# Altium PCB PCB.PcbDoc
Units mil, origin at the board's own origin, x right, y up, seen from the top; angles counter-clockwise.
Board outline 6250 x 3150 mil, 2 copper layers (Top Layer, Bottom Layer); 76 components, 74 nets, 280 pads, 32 vias.
Unrouted connection lines stored in the file: 3.
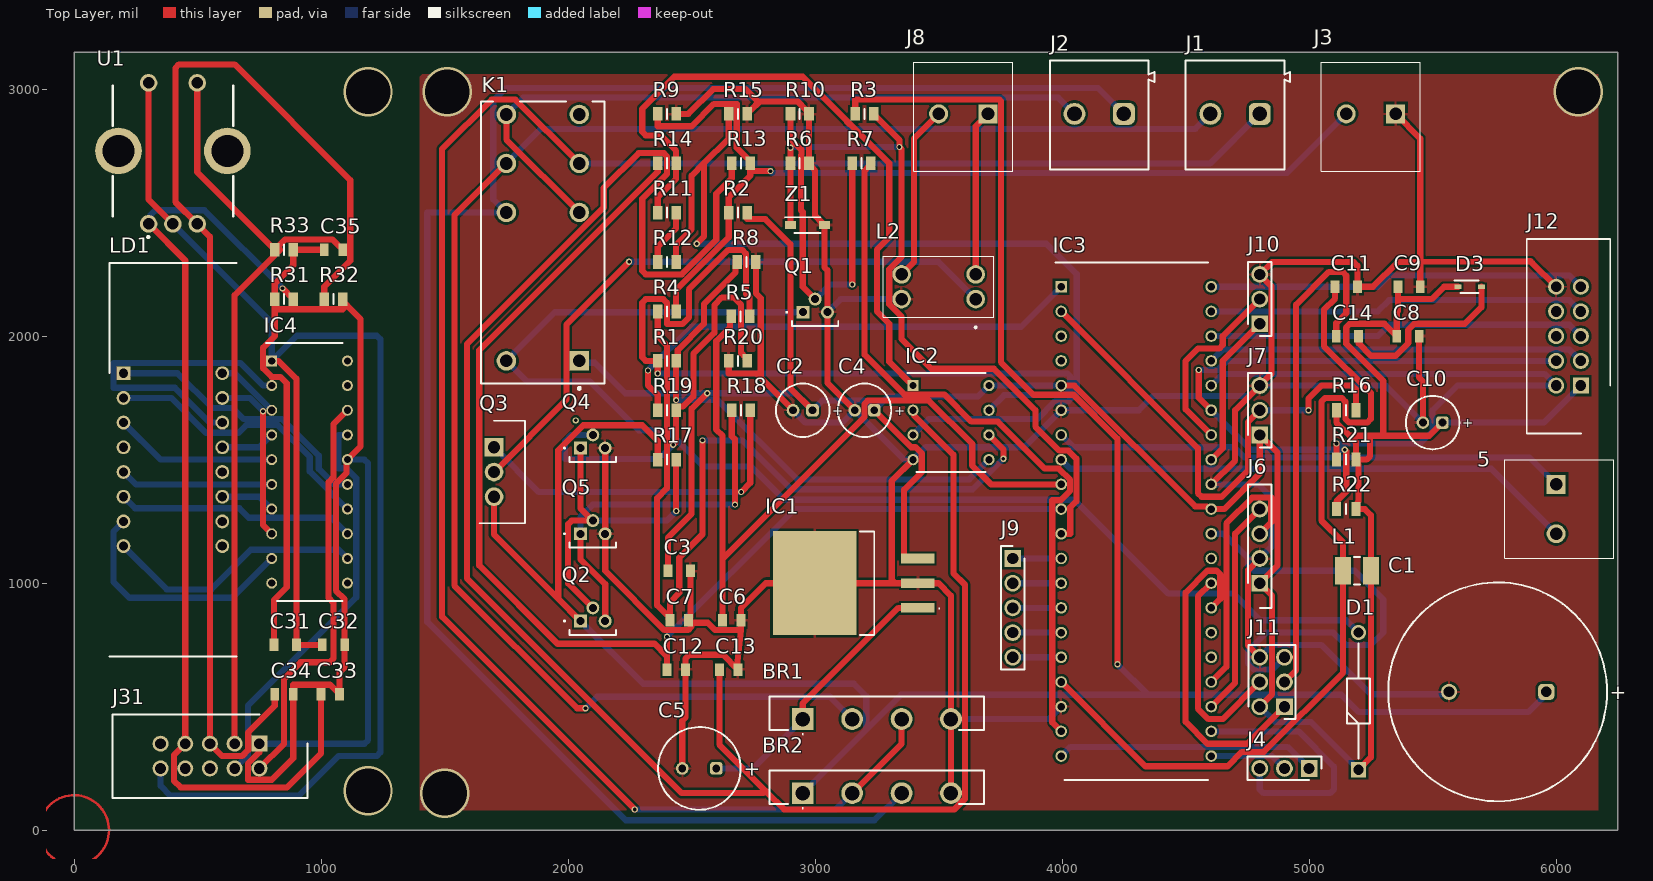
[diagram p0: Top Layer view]
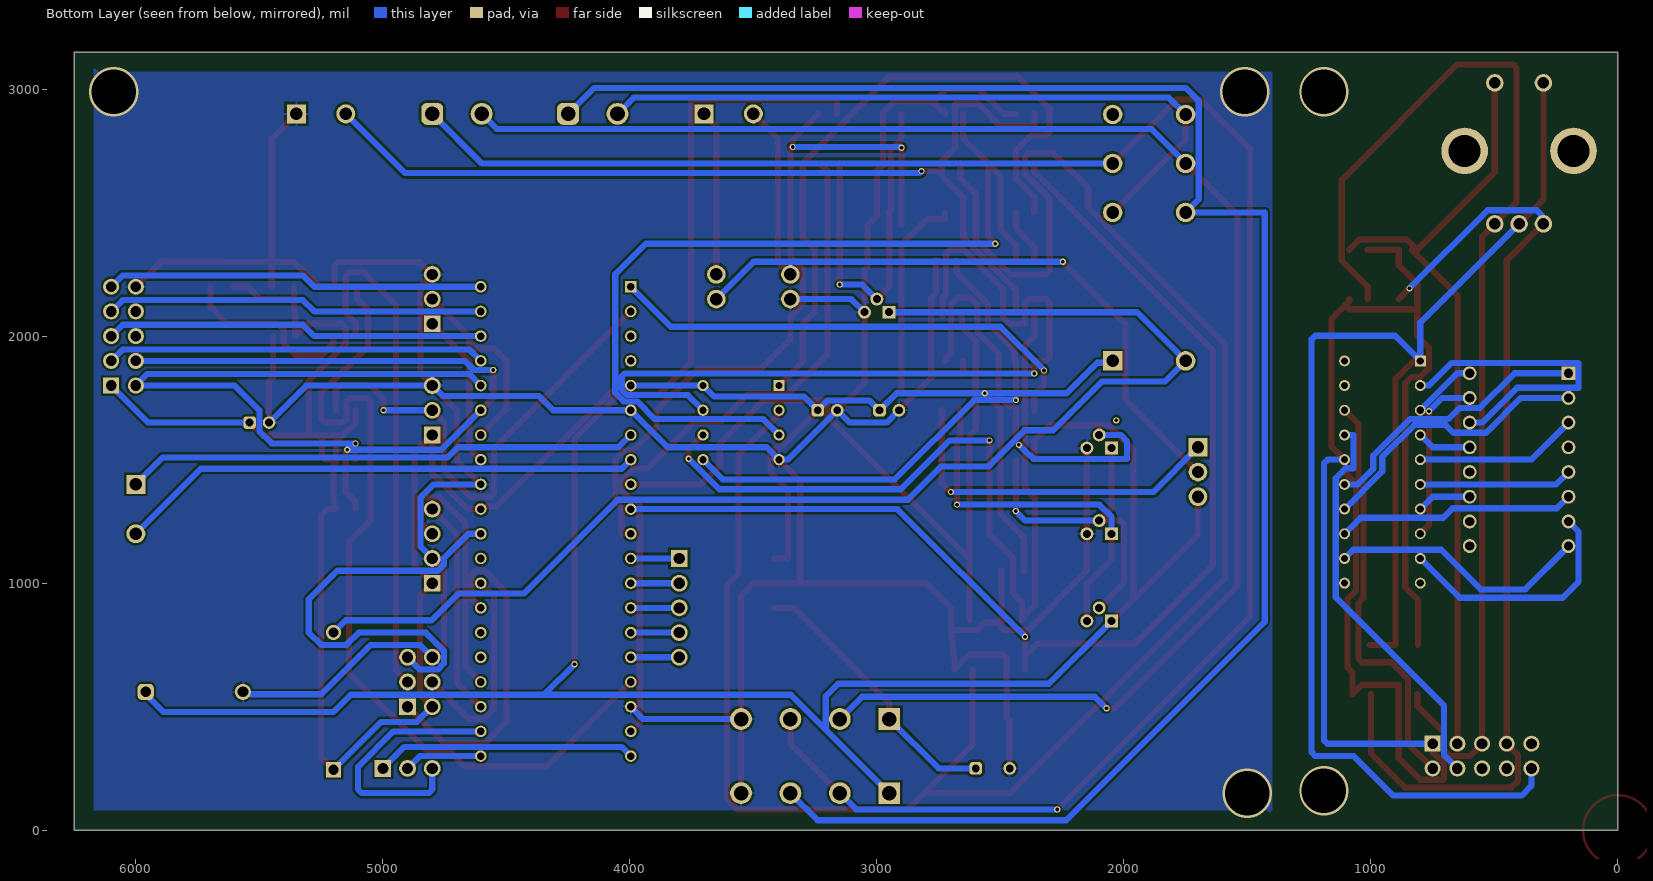
[diagram p1: Bottom Layer view, seen from below]
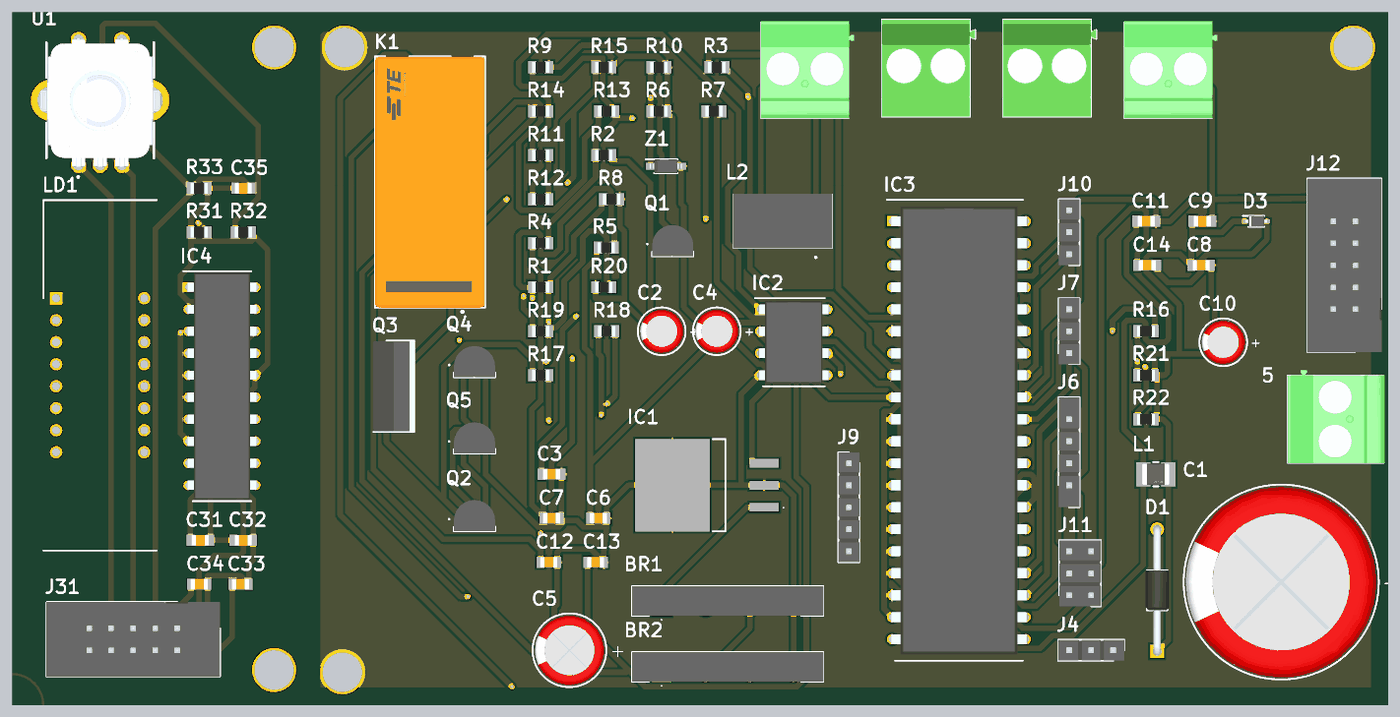
[diagram p2: 3D render of the assembled board from above, using the file's embedded part models]

## Layer stack, top to bottom
Top Solder: solder mask 0.4, Solder Resist, Dk 3.5
Top Layer: signal copper 1.4
Dielectric 1: dielectric 12.6, FR-4, Dk 4.8
Bottom Layer: signal copper 1.4
Bottom Solder: solder mask 0.4, Solder Resist, Dk 3.5

## Board outline
0,0 6250,0 6250,3150 0,3150
board region "Default Layer Stack Region": 1350,0 0,0 0,3150 1350,3150
board region "Default Layer Stack Region": 1350,3150 6250,3150 6250,0 1350,0

## Design rules (kind name [scope] priority, off if disabled: settings)
Clearance Clearance_3 [InNamedPolygon('GND_L02_P002')] p1: gap=10 ignorepadtopadclearanceinfootprint=FALSE except(0: Arc-Hole Track-Hole SMDPad-Hole THPad-Hole Via-Hole Fill-Hole Poly-Hole Region-Hole Text-Hole)
Clearance Clearance_2 [InNamedPolygon('GND_L01_P003')] p2: gap=10 ignorepadtopadclearanceinfootprint=FALSE except(0: Arc-Hole Track-Hole SMDPad-Hole THPad-Hole Via-Hole Fill-Hole Poly-Hole Region-Hole Text-Hole)
Clearance Clearance_1 [InNamedPolygon('GND_L02_P002')] p3: gap=10 ignorepadtopadclearanceinfootprint=FALSE except(0: Arc-Hole Track-Hole SMDPad-Hole THPad-Hole Via-Hole Fill-Hole Poly-Hole Region-Hole Text-Hole)
Clearance [All] p4: gap=0.25 ignorepadtopadclearanceinfootprint=FALSE except(0: Arc-Hole Track-Hole SMDPad-Hole THPad-Hole Via-Hole Fill-Hole Poly-Hole Region-Hole Text-Hole)
PolygonConnect [All] p1: connectstyle=Relief reliefconductorwidth=10 reliefentries=4 polygonreliefangle="90 Angle" airgapwidth=10
RoutingVias [All] p1: holewidth=15 width=25 viastyle="Through Hole" minholewidth=15 minwidth=25 maxholewidth=15 maxwidth=25
SolderMaskExpansion [All] p1: expansion=4 istentingtop=FALSE
Width [All] p1: maxlimit=50 minlimit=25 preferedwidth=25 minimp=50.000000 maximp=50.000000 favimp=50.000000
30 further rules are at their usual default settings.

## Classes and differential pairs
component class Voeding: BR1 BR2 C1 C4 C5 D1 IC1 J1 J2 K1 Q1 R3 R6 R7 R10 Z1
component class Processor: 5 C8 C9 C10 C11 C14 D3 IC3 J4 J6 J7 J9 J10 J11 J12 L1 R16 R21 R22
component class Opamp: C2 C3 C6 C7 C12 C13 IC2 J3 R1 R2 R4 R5 R8 R9 R11 R12 R13 R14 R15
component class Display: C31 C32 C33 C34 C35 IC4 J31 LD1 R31 R32 R33 U1
component class BoutVoeding: J8 L2 Q2 Q3 Q4 Q5 R17 R18 R19 R20

## Components (designator, comment, footprint, x,y, rotation, side; value= is the part's Value field where it differs from the comment)
5 "1711725" 1711725 6000,1400 r270 top
BR1 "GBU6J-E3_45" "Bridge rectifier" 2950,450 r180 top
BR2 "GBU6J-E3_45" "Bridge rectifier" 2950,150 r180 top
C1 "ESK478M050AQ3AA" "4700µF 50V" 5763.15,560 r0 top
C2 "EEU-FR1H100" "10µF 50V" 2950,1700 r0 top
C3 "C0805C104K5RAC7411" 100nF 2450,1050 r0 top
C4 "EEU-FR1H100" "10µF 50V" 3200,1700 r0 top
C5 "EEU-FR1H100" 100µF 2531.1,250 r0 top
C6 "C0805C103K5TACAUTO" 10nF 2662.6,850 r0 top
C7 "C0805C103K5TACAUTO" 10nF 2450,850 r0 top
C8 "C0805C104K5RAC7411" 100nF 5400,2000 r0 top
C9 "C0805C104K5RAC7411" 100nF 5404.72,2200 r0 top
C10 "EEU-FR1H100" "10µF 50V" 5500,1650 r0 top
C11 "C0805C104K5RAC7411" 100nF 5150,2200 r0 top
C12 "C0805C103K5TACAUTO" 10nF 2437.4,650 r0 top
C13 "C0805C103K5TACAUTO" 10nF 2650,650 r0 top
C14 "C0805C104K5RAC7411" 100nF 5154.72,2000 r0 top
C31 "C0805C104K5RAC7411" 100nF 854.72,750 r0 top
C32 "C0805C104K5RAC7411" 100nF 1050,750 r180 top
C33 "C0805C103K5TACAUTO" 10nF 1037.4,550 r180 top
C34 "C0805C103K5TACAUTO" 10nF 850,550 r180 top
C35 "C0805C103K5TACAUTO" 10nF 1050,2350 r0 top
D1 "1N4007G-T" D1 5200,244.88 r90 top
D3 "1N4148WS_R1_00001" SODFL2512X95N 5650,2200 r0 top
IC1 "TL780-05CKTTR" IC1 3150,1000 r90 top
IC2 "MCP6002-E_P" DIP781W56P254L950H533Q8N 3550,1650 r0 top
IC3 "ATMEGA4809-PF" DIP1543W58P254L5175H635Q40N 4300,1250 r0 top
IC4 "TM1637" DIP778W53P254L2612H431Q20N 953.23,1450 r0 top
J1 "1711725" Phoenix 4700,2896.06 r180 top
J2 "1711725" Phoenix 4150,2896.06 r180 top
J3 "1711725" 1711725 5350,2900 r180 top
J4 "10129378-903001BLF" HDRV3W67P0X254_1X3_762X241X858P 5000,250 r180 top
J6 "10129378-904001BLF" HDRV4W67P0X254_1X4_1270X241X858P 4800,1000 r90 top
J7 "10129378-903001BLF" HDRV3W67P0X254_1X3_762X241X858P 4800,1600 r90 top
J8 "1711725" 1711725 3700,2900 r180 top
J9 "10129378-905001BLF" HDRV5W67P0X254_1X5_1270X241X858P 3800,1100 r270 top
J10 "10129378-903001BLF" HDRV3W67P0X254_1X3_762X241X858P 4800,2050 r90 top
J11 "10129381-906002BLF" HDRV6W67P254_2X3_762X483X858P 4900,500 r90 top
J12 "N2510-6002RB" 1PinBox 6100,1800 r90 top
J31 "N2510-6002RB" SHDR10W64P254_2X5_2002X859X991P 750,350 r180 top
K1 "RT424615" FP-RT424615-MFG 1897.64,2378.35 r90 top
L1 "CBC3225T100MR" FP-CB3225-IPC_A 5193.86,1050 r0 top
L2 "CM2545X171B-10" CM2545X171B10 3650,2150 r90 top
LD1 "TDCG1050M" Display 200,1850 r0 top
Q1 "BC547CBU" TTTT 2950,2096.85 r0 top
Q2 "BC547CBU" TTTT 2050,846.85 r0 top
Q3 "IRF9Z34NPBF" T2 1700,1550 r270 top
Q4 "BC547CBU" TTTT 2050,1546.85 r0 top
Q5 "BC557BTA" TTTT 2050,1200 r0 top
R1 "CRCW080510K0DHEAP" Resistor 2400,1900 r0 top
R2 "CR0805-JW-105ELF" Resistor 2687.4,2500 r0 top
R3 "CRCW080510K0DHEAP" Resistor 3200,2900 r0 top
R4 "CRCW08055K60FKTA" Resistor 2400,2100 r0 top
R5 "CRCW08055K60FKTA" Resistor 2697.4,2080 r0 top
R6 "CRCW080510K0DHEAP" Resistor 2937.4,2700 r0 top
R7 "CRCW080510K0DHEAP" Resistor 3187.4,2700 r0 top
R8 "CPF0805B18KE" Resistor 2722.6,2300 r0 top
R9 "CR0805-JW-105ELF" Resistor 2400,2900 r0 top
R10 "CRCW08054K70FKEAHP" Resistor 2937.4,2900 r0 top
R11 "CRCW080510K0DHEAP" Resistor 2400,2500 r0 top
R12 "CRCW080510K0DHEAP" Resistor 2400,2300 r0 top
R13 "CRCW08055K60FKTA" Resistor 2700,2700 r0 top
R14 "CRCW08055K60FKTA" Resistor 2400,2700 r0 top
R15 "CPF0805B18KE" Resistor 2687.4,2900 r0 top
R16 "CRCW08054K70FKEAHP" RESC2012X50N 5150,1700 r0 top
R17 "CRCW08054K70FKEAHP" Resistor 2400,1500 r0 top
R18 "CPF0805B18KE" Resistor 2700,1700 r0 top
R19 "CRCW080510K0DHEAP" Resistor 2400,1700 r0 top
R20 "CRCW08054K70FKEAHP" Resistor 2687.4,1900 r180 top
R21 "CRCW08054K70FKEAHP" RESC2012X50N 5150,1500 r0 top
R22 "CRCW08054K70FKEAHP" RESC2012X50N 5150,1300 r0 top
R31 "CRCW080510K0DHEAP" Resistor 850,2150 r0 top
R32 "CRCW080510K0DHEAP" Resistor 1050,2150 r180 top
R33 "CRCW080510K0DHEAP" Resistor 850,2350 r180 top
U1 "PEC11R-4225F-S0024" PEC12R-4XXXF-SXXXX_1 400,2750 r0 top
Z1 "SZMMSZ5231BT1G" Zener 2968.9,2450 r0 top

## Footprints (in the part's own frame and the unit in brackets; to place one, negate y for a bottom-side part, rotate by r counter-clockwise, add the part's x,y. Pads: shape width x height; smd on the part's side, far side on the other; paste and mask are expansions set on the pad)
1PinBox [mm]
  rect 1.65x1.65 hole 1.1: 1(0,0)
  round 1.65 hole 1.1: 2(0,2.54) 3(2.54,0) 4(2.54,2.54) 5(5.08,0) 6(5.08,2.54) 7(7.62,0) 8(7.62,2.54) 9(10.16,0) 10(10.16,2.54)
  silkscreen extent -4.93,-3.02 15.09,5.56, body extent -4.93,-3.03 15.09,5.57, height 9.91
10nF [mm] "Ceramic Capacitors, body 2x1.25mm"
  rect 0.9x1.3 smd: 1(-0.95,0) 2(0.95,0)
  body extent -1,-0.62 1,0.63, height 0.8
"10µF 50V" [mm] "Aluminum Electrolytic Capacitors, 5x11mm"
  rrect50% 1.3x1.3 hole 0.8: 1(1,0)
  round 1.3 hole 0.8: 2(-1,0)
  silkscreen extent -2.75,-2.75 2.75,2.75, body extent -2.49,-2.5 2.5,2.5, height 11.31
100nF [mm] "Ceramic Capacitors, body 2x1.25mm"
  rect 0.9x1.3 smd: 1(-1.15,0) 2(1.15,0)
  body extent -1,-0.63 1,0.63, height 0.8
100µF [mm] "Aluminum Electrolytic Capacitors, 8x11.5mm"
  rrect50% 1.3x1.3 hole 0.8: 1(1.75,0)
  round 1.3 hole 0.8: 2(-1.75,0)
  silkscreen extent -4.25,-4.25 4.25,4.25, body extent -3.99,-4 4,4, height 11.81
"4700µF 50V" [mm] "Aluminum Electrolytic Capacitors, 22x41mm"
  rrect50% 1.65x1.65 hole 1.1: 1(5,0)
  round 1.65 hole 1.1: 2(-5,0)
  silkscreen extent -11.25,-11.25 11.25,11.25, body extent -10.99,-11 11,11, height 41.31
1711725 [mm]
  rect 1.95x1.95 hole 1.3: 1(0,0)
  round 1.95 hole 1.3: 2(5.08,0)
  silkscreen extent -2.54,-5.3 7.62,5.9, body extent -3.12,-5.3 7.61,5.9, height 18.41
"Bridge rectifier" [mm]
  rect 2.235x2.235 hole 1.49: 1(0,0)
  round 2.235 hole 1.49: 2(-5.08,0) 3(-10.16,0) 4(-15.24,0)
  silkscreen extent -18.65,-2.32 3.41,1.6, body extent -18.65,-2.32 3.4,1.11, height 18.9
CM2545X171B10 [mil]
  round 75 hole 50: 1(0,0) 2(100,0) 3(100,300) 4(0,300)
  silkscreen extent -118,-74 174,374, body extent -74,-74 174,374, height 378
D1 [mm]
  rect 1.575x1.575 hole 1.05: 1(0,0)
  round 1.575 hole 1.05: 2(14.1,0)
  silkscreen extent 1.14,-1.18 12.96,1.18, body extent -0.43,-1.36 14.51,1.36, height 2.71
DIP778W53P254L2612H431Q20N [mm]
  rect 1.13x1.13 hole 0.73: 1(-3.892,11.43)
  round 1.13 hole 0.73: 2(-3.892,8.89) 3(-3.892,6.35) 4(-3.892,3.81) 5(-3.892,1.27) 6(-3.892,-1.27) 7(-3.892,-3.81) 8(-3.892,-6.35) 9(-3.892,-8.89) 10(-3.892,-11.43) 11(3.892,-11.43) 12(3.892,-8.89) 13(3.892,-6.35) 14(3.892,-3.81) 15(3.892,-1.27) 16(3.892,1.27) 17(3.892,3.81) 18(3.892,6.35) 19(3.892,8.89) 20(3.892,11.43)
  silkscreen extent -4.46,-13.27 3.37,13.27, body extent -4.03,-13.06 4.03,13.06, height 4.31
DIP781W56P254L950H533Q8N [mm]
  rect 1.158x1.158 hole 0.758: 1(-3.905,3.81)
  round 1.158 hole 0.758: 2(-3.905,1.27) 3(-3.905,-1.27) 4(-3.905,-3.81) 5(3.905,-3.81) 6(3.905,-1.27) 7(3.905,1.27) 8(3.905,3.81)
  silkscreen extent -4.48,-5.08 3.56,5.08, body extent -4.04,-4.75 4.04,4.75, height 5.33
DIP1543W58P254L5175H635Q40N [mm]
  rect 1.184x1.184 hole 0.784: 1(-7.715,24.13)
  round 1.184 hole 0.784: 2(-7.715,21.59) 3(-7.715,19.05) 4(-7.715,16.51) 5(-7.715,13.97) 6(-7.715,11.43) 7(-7.715,8.89) 8(-7.715,6.35) 9(-7.715,3.81) 10(-7.715,1.27) 11(-7.715,-1.27) 12(-7.715,-3.81) 13(-7.715,-6.35) 14(-7.715,-8.89) 15(-7.715,-11.43) 16(-7.715,-13.97) 17(-7.715,-16.51) 18(-7.715,-19.05) 19(-7.715,-21.59) 20(-7.715,-24.13) 21(7.715,-24.13) 22(7.715,-21.59) 23(7.715,-19.05) 24(7.715,-16.51) 25(7.715,-13.97) 26(7.715,-11.43) 27(7.715,-8.89) 28(7.715,-6.35) 29(7.715,-3.81) 30(7.715,-1.27) 31(7.715,1.27) 32(7.715,3.81) 33(7.715,6.35) 34(7.715,8.89) 35(7.715,11.43) 36(7.715,13.97) 37(7.715,16.51) 38(7.715,19.05) 39(7.715,21.59) 40(7.715,24.13)
  silkscreen extent -8.31,-26.61 7.37,26.61, body extent -7.86,-25.88 7.86,25.88, height 6.35
Display [mm]
  rect 1.425x1.425 hole 0.95: 1(0,0)
  round 1.425 hole 0.95: 2(0,-2.54) 3(0,-5.08) 4(0,-7.62) 5(0,-10.16) 6(0,-12.7) 7(0,-15.24) 8(0,-17.78) 9(10.16,-17.78) 10(10.16,-15.24) 11(10.16,-12.7) 12(10.16,-10.16) 13(10.16,-7.62) 14(10.16,-5.08) 15(10.16,-2.54) 16(10.16,0)
  silkscreen extent -1.45,-29.12 11.61,11.34
FP-CB3225-IPC_A [mil]
  rect 65.14x110.48 smd paste+0 mask+0: 1(-56.14,0) 2(56.14,0)
  silkscreen extent -12,-55 12,55, body extent -108,-75 108,75, height 10
FP-RT424615-MFG [mm]
  round 2 hole 1.3 paste-1000 mask+0: 11(8.15,-3.75) 12(3.11,-3.75) 14(13.19,-3.75) 21(8.15,3.75) 22(3.11,3.75) 24(13.19,3.75) A2(-12.15,3.75)
  rect 2x2 hole 1.3 paste-1000 mask+0: A1(-12.15,-3.75)
  silkscreen extent -15.1,-6.35 14.5,6.35, body extent -14.6,-6.45 14.6,6.45, height 0.25
HDRV3W67P0X254_1X3_762X241X858P [mm]
  rect 1.725x1.725 hole 1.15: 1(0,0)
  round 1.725 hole 1.15: 2(2.54,0) 3(5.08,0)
  silkscreen extent -1.27,-1.2 6.35,1.2, body extent -1.27,-1.2 6.35,1.2, height 8.58
HDRV4W67P0X254_1X4_1270X241X858P [mm]
  rect 1.725x1.725 hole 1.15: 1(0,0)
  round 1.725 hole 1.15: 2(2.54,0) 3(5.08,0) 4(7.62,0)
  silkscreen extent -2.54,-1.2 10.16,1.2, body extent -2.54,-1.2 10.16,1.2, height 8.58
HDRV5W67P0X254_1X5_1270X241X858P [mm]
  rect 1.725x1.725 hole 1.15: 1(0,0)
  round 1.725 hole 1.15: 2(2.54,0) 3(5.08,0) 4(7.62,0) 5(10.16,0)
  silkscreen extent -1.27,-1.2 11.43,1.2, body extent -1.27,-1.2 11.43,1.2, height 8.58
HDRV6W67P254_2X3_762X483X858P [mm]
  rect 1.725x1.725 hole 1.15: 1(0,0)
  round 1.725 hole 1.15: 2(0,2.54) 3(2.54,0) 4(2.54,2.54) 5(5.08,0) 6(5.08,2.54)
  silkscreen extent -1.27,-1.14 6.35,3.68, body extent -1.27,-1.14 6.35,3.68, height 8.58
IC1 [mm]
  rect 1x3.4 smd: 1(-2.54,-6.745) 2(0,-6.745) 3(2.54,-6.745)
  rect 10.7x8.6 smd: 4(0,3.855)
  silkscreen extent -5.33,-9 5.33,-0.8
PEC12R-4XXXF-SXXXX_1 [mm]
  round 1.8 hole 1.2: 1(-2.5,-7.5) 2(2.5,-7.5) 3(0,-7.5) 4(-2.5,7) 5(2.5,7)
  round 4.8 hole 3.28: 6(5.6,0) 7(-5.6,0)
  silkscreen extent -6.2,-8.95 6.2,6.7, body extent -7,-7.75 6.99,7.15, height 31.51
Phoenix [mm] "Serie 2535 - 5.08 mm _ 2 pins"
  rrect50% 2.25x2.25 hole 1.5: 1(-2.54,-0.1)
  round 2.25 hole 1.5: 2(2.54,-0.1)
  silkscreen extent -5.67,-5.6 5.08,5.6, body extent -5.67,-5.6 5.09,5.6, height 18.1
RESC2012X50N [mm]
  rect 0.95x1.45 smd: 1(-1,0) 2(1,0)
  silkscreen extent 0,-0.53 0,0.53, body extent -1.02,-0.63 1.02,0.63, height 0.5
Resistor [mm]
  rect 1x1.4 smd: 1(-0.95,0) 2(0.95,0)
  silkscreen extent 0,-0.53 0,0.53, body extent -1,-0.63 1,0.63, height 0.6
SHDR10W64P254_2X5_2002X859X991P [mm]
  rect 1.65x1.65 hole 1.1: 1(0,0)
  round 1.65 hole 1.1: 2(0,2.54) 3(2.54,0) 4(2.54,2.54) 5(5.08,0) 6(5.08,2.54) 7(7.62,0) 8(7.62,2.54) 9(10.16,0) 10(10.16,2.54)
  silkscreen extent -4.93,-3.02 15.09,5.56, body extent -4.93,-3.03 15.09,5.57, height 9.91
SODFL2512X95N [mm]
  rect 0.72x0.42 smd: 1(-1.2,0) 2(1.2,0)
  silkscreen extent -1.56,-0.62 0.93,0.62, body extent -1.25,-0.63 1.25,0.63, height 0.95
T2 [mm]
  rect 1.92x1.92 hole 1.28: 1(0,0)
  round 1.92 hole 1.28: 2(2.54,0) 3(5.08,0)
  silkscreen extent -2.73,-1.49 7.81,3.2, body extent -2.67,-1.5 7.75,3.19, height 18.84
TTTT [mm]
  rect 1.333x1.333 hole 0.82: 1(0,0)
  round 1.333 hole 0.82: 2(1.27,1.35) 3(2.54,0)
  silkscreen extent -1.7,-1.43 3.65,0.05, body extent -1.11,-1.43 3.65,2.19, height 5.43
Zener [mm]
  rect 1.15x0.8 smd: 1(-1.75,0) 2(1.75,0)
  silkscreen extent -2.33,-0.8 1.34,0.8, body extent -1.86,-0.8 1.86,0.8, height 1.35

## Part data
5 J1 J2 J3 J8: "Connector", Manufacturer_Name="Phoenix Contact", Datasheet Link=http://www.phoenixcontact.com/de/produkte/1711725/pdf, Height=18.2mm, Manufacturer_Part_Number=1711725
BR1 BR2: "Bridge Rectifier", Manufacturer_Name=Vishay, Manufacturer_Part_Number=GBU6J-E3/45, Datasheet Link=http://www.vishay.com/docs/88615/gbu6a.pdf, Height=18.8mm
C1: "Capacitor Polarised 50V 4700uF", Manufacturer_Name=Kemet, Mouser2 Part Number=80-ESK478M050AQ3AA, Datasheet Link=https://componentsearchengine.com//ESK478M050AQ3AA.pdf, Height=37mm, Manufacturer_Part_Number=ESK478M050AQ3AA, Mouser2 Price/Stock=https://www.mouser.com/Search/Refine.aspx?Keyword=80-ESK478M050AQ3AA
C2 C4 C5 C10: "Capacitor Polarised 50VDC 10uF", Manufacturer_Name=Panasonic, Mouser2 Part Number=667-EEU-FR1H100, Datasheet Link=https://componentsearchengine.com//EEU-FR1H100.pdf, Height=12.5mm, Manufacturer_Part_Number=EEU-FR1H100, Mouser2 Price/Stock=https://www.mouser.com/Search/Refine.aspx?Keyword=667-EEU-FR1H100
C3 C8 C9 C11 C14 C32: "Capacitor  0.1 uF 50VDC", Manufacturer_Name=Kemet, Mouser2 Part Number=80-C0805C104K5RACLR, Datasheet Link=https://componentsearchengine.com//C0805C104K5RAC7411.pdf, Height=0.88mm, Manufacturer_Part_Number=C0805C104K5RAC7411, Mouser2 Price/Stock=https://www.mouser.com/Search/Refine.aspx?Keyword=80-C0805C104K5RACLR
C6 C7 C12 C13 C33 C34 C35: "Capacitor 0.01µF 50VDC", Manufacturer_Name=Kemet, Height=0.88mm, Manufacturer_Part_Number=C0805C103K5TACAUTO
C31: "Capacitor  100 uF 50VDC", Manufacturer_Name=Kemet, Mouser2 Part Number=80-C0805C104K5RACLR, Datasheet Link=https://componentsearchengine.com//C0805C104K5RAC7411.pdf, Height=0.88mm, Manufacturer_Part_Number=C0805C104K5RAC7411, Mouser2 Price/Stock=https://www.mouser.com/Search/Refine.aspx?Keyword=80-C0805C104K5RACLR
D1: "Diode", Manufacturer_Name="Diodes Inc.", Mouser2 Part Number=621-1N4007G-T, Datasheet Link=https://componentsearchengine.com//1N4007G-T.pdf, Manufacturer_Part_Number=1N4007G-T, Mouser2 Price/Stock=https://www.mouser.com/Search/Refine.aspx?Keyword=621-1N4007G-T
D3: "Diode", Manufacturer_Name=PANJIT, Datasheet Link=https://www.mouser.it/datasheet/2/1057/1N4148WS-1869723.pdf, Height=0.95mm, Manufacturer_Part_Number=1N4148WS_R1_00001
IC1: "Integrated Circuit", Manufacturer_Name="Texas Instruments", Datasheet Link=http://www.ti.com/general/docs/suppproductinfo.tsp?distId=26&gotoUrl=http%3A%2F%2Fwww.ti.com%2Flit%2Fgpn%2Ftl780, Height=5.08mm, Manufacturer_Part_Number=TL780-05CKTTR
IC2: "Integrated Circuit, opamp", Manufacturer_Name=Microchip, Manufacturer_Part_Number=MCP6002-E/P, Mouser2 Part Number=579-MCP6002-E/P, Datasheet Link=https://componentsearchengine.com//MCP6002-E_P.pdf, Height=5.334mm, Mouser2 Price/Stock=https://www.mouser.com/Search/Refine.aspx?Keyword=579-MCP6002-E%2FP
IC3: "Integrated Circuit", Manufacturer_Name=Microchip, Mouser2 Part Number=556-ATMEGA4809-PF, Datasheet Link=https://componentsearchengine.com//ATMEGA4809-PF.pdf, Height=6.35mm, Manufacturer_Part_Number=ATMEGA4809-PF, Mouser2 Price/Stock=https://www.mouser.com/Search/Refine.aspx?Keyword=556-ATMEGA4809-PF
IC4: "LED Drive Control Special Circuit", Package=Package, Availability="Not in stock", Check_prices=https://www.snapeda.com/parts/TM1637/Titan+Micro+Electronics/view-part/?ref=eda, MF="Titan Micro Electronics", MP=TM1637, Price=None, SnapEDA_Link=https://www.snapeda.com/parts/TM1637/Titan+Micro+Electronics/view-part/?ref=snap
J4 J6 J7 J10: "Connector", Manufacturer_Name=Amphenol, Height=8.58mm
  J4 J7 J10: Manufacturer_Part_Number=10129378-903001BLF
  J6: Datasheet Link=https://cdn.amphenol-icc.com/media/wysiwyg/files/drawing/10129378.pdf, Manufacturer_Part_Number=10129378-904001BLF
J9: "Connector", Manufacturer_Name="FCI Electronics", Datasheet Link=https://cdn.amphenol-icc.com/media/wysiwyg/files/drawing/10129378.pdf, Height=8.58mm, Manufacturer_Part_Number=10129378-905001BLF
J11: "Connector", Manufacturer_Name=Amphenol, Mouser2 Part Number=649-1012938190602BLF, Datasheet Link=https://componentsearchengine.com//10129381-906002BLF.pdf, Height=8.58mm, Manufacturer_Part_Number=10129381-906002BLF, Mouser2 Price/Stock=https://www.mouser.com/Search/Refine.aspx?Keyword=649-1012938190602BLF
J12 J31: "Connector", Manufacturer_Name=3M, Mouser2 Part Number=517-N2510-6002RB, Datasheet Link=https://componentsearchengine.com//N2510-6002RB.pdf, Height=9.91mm, Manufacturer_Part_Number=N2510-6002RB, Mouser2 Price/Stock=https://www.mouser.com/Search/Refine.aspx?Keyword=517-N2510-6002RB
K1: library part CMP-03395-000241-1, "RELAY GEN PURPOSE DPDT 8A 115V", Case/Package=DIP, Coil Resistance=8.1kR, Coil Voltage (AC)=115V, Contact Current Rating=8A, Max Current Rating=15A, Max Operating Temperature=70°C, Max Voltage Rating (AC)=400V, Min Operating Temperature=-40°C, Package Quantity=500, Power Rating=760mW, Ratings=IP54, Switching Capacity=2kW, Application(s)=POWER, Approvals=CSA, Coil Type=Non-Latching, Contact Material=Silver, Current Rating=8A, Depth=12.7mm, Height=15.7mm, Length=29mm, Mount="Through Hole", Number of Pins=8, Operate Time=8ms, Packaging=Rail/Tube, Radiation Hardening=No, Relay Type="General Purpose", RoHS Compliant=Yes, Series="RT2, SCHRACK", Switching Current=8A, Termination="PC Pin", Throw Configuration=DPDT, Voltage Rating (AC)=400V, Width=12.7mm
L1: library part CMP-14484-000123-1, "SMD Inductors 10uH ±20% 0.9A 0.1729Ω 1210", Case Code (Imperial)=1210, Case Code (Metric)=3225, Current Rating=900mA, DC Resistance (DCR)=172.9mR, Inductance=10uH, Inductance Tolerance=20%, Max Operating Temperature=105°C, Min Operating Temperature=-40°C, Package Quantity=1000, Resistor Type=Wirewound, Self Resonant Frequency=23MHz, Test Frequency=100kHz, Case/Package=1210, Core Material=Ferrite, DC Current=900mA, Depth=2.7mm, Halogen Free="Halogen Free", Height=2.5mm, Height - Seated (Max)=0.106inch, Lead Free="Lead Free", Length=3.4mm, Max DC Current=900mA, Military Standard=Not, Mount="Surface Mount", Number of Pins=2, Packaging="Tape and Reel", Radiation Hardening=No, Saturation Current=900mA, Series=CB, Shielding=Unshielded, Termination=SMD/SMT, Tolerance=20%, Width=0.098inch
L2: "Transformer", Manufacturer_Name="Laird Technologies", Datasheet Link=https://datasheet.datasheetarchive.com/originals/dk/DKDS-7/122753.pdf, Height=9.5mm, Manufacturer_Part_Number=CM2545X171B-10
LD1: "Display", Manufacturer_Name=Vishay, Mouser2 Part Number=78-TDCG1050, Datasheet Link=https://componentsearchengine.com//TDCG1050M.pdf, Height=7.25mm, Manufacturer_Part_Number=TDCG1050M, Mouser2 Price/Stock=https://www.mouser.com/Search/Refine.aspx?Keyword=78-TDCG1050
Q1 Q2 Q4: "Transistor BJT NPN", Manufacturer_Name="ON Semiconductor", Datasheet Link=https://www.onsemi.com/pdf/datasheet/bc550-d.pdf, Height=5.33mm, Manufacturer_Part_Number=BC547CBU
Q3: "MOSFET (P-Channel)", Manufacturer_Name=Infineon, Mouser2 Part Number=942-IRF9Z34NPBF, Datasheet Link=https://componentsearchengine.com//IRF9Z34NPBF.pdf, Height=4.69mm, Manufacturer_Part_Number=IRF9Z34NPBF, Mouser2 Price/Stock=https://www.mouser.com/Search/Refine.aspx?Keyword=942-IRF9Z34NPBF
Q5: "Transistor BJT PNP", Manufacturer_Name="ON Semiconductor", Mouser2 Part Number=512-BC557BTA, Datasheet Link=https://componentsearchengine.com//BC557BTA.pdf, Height=4.19mm, Manufacturer_Part_Number=BC557BTA, Mouser2 Price/Stock=https://www.mouser.com/Search/Refine.aspx?Keyword=512-BC557BTA
R1 R6 R7 R11 R12 R19 R31 R32 R33: "Resistor 10KOhm", Manufacturer_Name=Vishay, Datasheet Link=https://www.arrow.com/en/products/crcw080510k0dheap/vishay, Height=0.5mm, Manufacturer_Part_Number=CRCW080510K0DHEAP
R2 R9: "Resistor 1MOhm", Manufacturer_Name=Bourns, Datasheet Link=https://www.bourns.com/pdfs/chpreztr.pdf, Height=0.6mm, Manufacturer_Part_Number=CR0805-JW-105ELF
R3: "Resistor 68KOhm", Manufacturer_Name=Vishay, Datasheet Link=https://www.arrow.com/en/products/crcw080510k0dheap/vishay, Height=0.5mm, Manufacturer_Part_Number=CRCW080510K0DHEAP
R4 R5 R13 R14: "Resistor 5.6KOhm", Manufacturer_Name=Vishay, Datasheet Link=http://www.vishay.com/docs/20035/dcrcwe3.pdf, Height=0.5mm, Manufacturer_Part_Number=CRCW08055K60FKTA
R8 R15: "Resistor 510Ohm", Manufacturer_Name="TE Connectivity", Datasheet Link=https://datasheet.datasheetarchive.com/originals/distributors/DKDS-21/401696.pdf, Height=0.65mm, Manufacturer_Part_Number=CPF0805B18KE
R10 R16 R17 R20 R21 R22: "Resistor 4.7KOhm", Manufacturer_Name=Vishay, Mouser2 Part Number=71-CRCW08054K70FKEAH, Datasheet Link=https://componentsearchengine.com//CRCW08054K70FKEAHP.pdf, Height=0.5mm, Manufacturer_Part_Number=CRCW08054K70FKEAHP, Mouser2 Price/Stock=https://www.mouser.com/Search/Refine.aspx?Keyword=71-CRCW08054K70FKEAH
R18: "Resistor 100Ohm", Manufacturer_Name="TE Connectivity", Datasheet Link=https://datasheet.datasheetarchive.com/originals/distributors/DKDS-21/401696.pdf, Height=0.65mm, Manufacturer_Part_Number=CPF0805B18KE
U1: "Undefined or Miscellaneous", Manufacturer_Name=Bourns, Mouser2 Part Number=652-PEC11R-4225F-S24, Datasheet Link=https://componentsearchengine.com//PEC11R-4225F-S0024.pdf, Manufacturer_Part_Number=PEC11R-4225F-S0024, Mouser2 Price/Stock=https://www.mouser.com/Search/Refine.aspx?Keyword=652-PEC11R-4225F-S24
Z1: "Zener Diode", Manufacturer_Name="ON Semiconductor", Mouser2 Part Number=863-SZMMSZ5231BT1G, Datasheet Link=https://componentsearchengine.com//SZMMSZ5231BT1G.pdf, Height=1.35mm, Manufacturer_Part_Number=SZMMSZ5231BT1G, Mouser2 Price/Stock=https://www.mouser.com/Search/Refine.aspx?Keyword=863-SZMMSZ5231BT1G

## Via types
v1: diameter 25, hole 15, Top Layer to Bottom Layer, 27 vias
v2: diameter 200, hole 180, Top Layer to Bottom Layer, 5 vias

## Nets (pads, with @x,y where several pads share a name; then routed paths per layer and width w, separated by ;. In a path a pad name is that pad's centre, name@x,y a point inside that pad or via, vN(x,y) a via of type N, cw(c..) or ccw(c..) an arc to the next point about the centre after c; other vN are vias at no path point)
+5: C2.1 C3.1 C4.1 C8.1 C9.1 C10.1 C31.1 C32.1 C33.1 C34.1 C35.1 D1.1 D3.1 IC1.3 IC2.8 IC3.5 IC3.31 IC4.16 J6.1 J7.1 J11.2 J12.1 J31.1 K1.A1 L1.2 R2.2 R16.1 R21.2 R22.2 R31.1 R32.1 R33.1 | length 17893.5
  Top Layer w25: J31.1 750,314.73 704,268.73 704,204 800,204 887.4,291.4 C34.1 887.4,588.75 1036.06,588.75 C33.1 1074.8,639 1095.28,659.47 C32.1 1095.28,934.72 1060,970 1060,1403.04 1102.73,1445.77 1102.73,1496.27 1160,1553.54 1160,2069.4 R32.1@1103.9,2125.5 ; C31.1 809.45,932 861,983.55 861,1809 835,1835 800,1835 765,1870 765,1953 812.6,2000.6 812.6,2109 ; C35.1 R33.1 887.4,2286.8 812.6,2212 R31.1 812.6,2109 ; R32.1 1087.4,2142 R32.1@1103.9,2125.5 ; K1.A1@2031,1885.72 K1.A1 ; C3.1 2404.72,1185.16 2500,1280.43 2500,1706 v1(2563,1769) ; R2.2 2724.8,2474 2798,2474 2900,2372 2900,1789.37 C2.1 ; C4.1 3389.37,1550 3407,1550 3432,1525 3432,1450 3360,1378 3360,1100 IC1.3 ; IC3.5 4050,1800 4539.19,1310.81 4587.08,1310.81 4597.89,1300 4656.01,1300 4800,1443.99 J7.1 4871.97,1528.03 4871.97,1071.97 J6.1 4850,950 4850,550 J11.2 ; R16.1 5110.63,1650 5163.63,1597 ; D1.1 5250,294.88 L1.2 5250,1275 5225,1300 R22.2 5195.57,1306.2 5195.57,1326.26 5200,1330.69 5200,1479.53 5189.37,1490.16 R21.2 ; C9.1 5359.45,2150.55 ; C10.1 5486.37,1597 5300,1597 ; D3.1 5546,2200 5496,2150 5360,2150 5359.45,2150.55 ; 812.6,2109 1087.4,2109 R32.1@1103.9,2125.5 ; 5163.63,1597 5247,1597 ; 5163.63,1597 5189.37,1571.26 R21.2 ; R21.2 5232.36,1500 5247,1514.64 5247,1597 ; 5247,1597 5300,1597 ; 5300,1597 5300,1819 5150,1969 5150,2035.36 5164.64,2050 5304.72,2050 C8.1 5354.72,2097 5359.45,2101.72 5359.45,2150.55
  Bottom Layer w25: J31.1 1175.36,350 1190,364.64 1190,1485.36 1175.36,1500 IC4.16 ; K1.A1 2052.78,1892.5 2107.5,1892.5 2231,1769 v1(2563,1769) 2920.37,1769 C2.1 3028.37,1739 3200.37,1739 C4.1 3295.37,1756 3659.74,1756 IC2.8 IC3.5 ; J11.2 4862,438 5006.88,438 D1.1 ; C10.1 5950,1650 J12.1
  other v1: 2031,1659
GND: BR1.4 BR2.4 C1.2 C2.2 C3.2 C4.2 C5.2 C6.2 C7.2 C8.2 C9.2 C10.2 C11.2 C12.2 C13.2 C31.2 C32.2 IC1.2 IC1.4 IC2.4 IC3.6 IC3.18 IC3.32 IC4.1 J3.1 J6.2 J7.3 J10.3 J11.6 J12.10 J31.10 L2.4 Q1.3 Q4.3 Q5.3 R6.2 R8.2 R9.2 R10.2 R15.2 R20.2 U1.3 U1.4 Z1.2 | length 22254.9
  Top Layer w25: U1.4 301.57,2553.15 U1.3 ; IC4.1 827.41,1900 900,1827.41 C31.2 C32.2 ; Q4.3 Q5.3 2150,1050 2390,810 2485.36,810 2500,824.64 2500,837.4 C7.2 ; R9.2 2487,2900 2587,3000 2718.4,3000 2767.48,2950.92 2767.48,2942.68 ; C5.2 2462.2,443 2474.8,455.6 C12.2 2475.79,650.98 2475.79,695.36 2490.43,710 2627.4,710 C13.2 2683.62,663.09 2683.62,663.22 2683.62,664.61 2700,811 ; C7.2@2485.2,852.2 2495.28,862.28 C3.2 ; C7.2@2497.4,840 2565,840 2594,811 2700,811 ; R20.2 2650,1849 2761.63,1849 2780,1830.63 ; R15.2 2724.8,2907.87 2731.99,2915.06 2739.86,2915.06 2774.8,2950 2929.7,2950 2964.64,2915.06 2967.62,2915.06 2974.8,2907.87 2974.8,2692.13 2981.99,2684.94 2985.36,2684.94 3000,2670.3 3000,2487.8 3027.66,2460.14 3027.66,2453.25 3030.91,2450 Z1.2 3037.8,2279.2 3050,2267 Q1.3 3050,1810.63 C4.2 ; R8.2@2760,2307.82 2760,2173.26 2780,2153.26 2780,1830.63 ; C2.2 2780,1830.63 ; 3329.92,1000 IC1.4 2800,1000 2700,900 C6.2 2700,811 ; IC2.4 3310,1413.74 3310,1014.64 3324.64,1000 3500,1000 3550,950 BR1.4 BR2.4 ; IC3.32 4700,1496.26 4700,1700 J7.3 4847,1847 4847,2203 J10.3 4850,2300 5180.63,2300 5195.28,2285.36 C11.2 5258,2200 5358,2300 5450,2300 ; J11.6 4753,747 4753,1053 J6.2 ; J3.1 5450,2800 5450,2300 ; C8.2 5445.28,1832.35 5460.63,1817 C10.2 ; C9.2 5450,2300 ; J12.10 5903.88,2296.12 5896.56,2303.44 5886.1,2303.44 5450,2300
  Bottom Layer w25: J31.10 350,180 390,140 910,140 1070,300 1225.36,300 1240,314.64 1240,1987.36 1225.36,2002 902,2002 IC4.1 800,2054.72 U1.3 ; C2.2 2960.63,1650 3110.63,1650 C4.2 3360.63,1500 IC2.4 3446.26,1550 3846.26,1550 IC3.6 4311,1700 4369,1758 4758,1758 J7.3 5310.63,1800 C10.2 ; Q1.3 3103.15,2150 L2.4 ; BR1.4 3946.26,450 IC3.18 ; IC3.32 4794,1400 4847,1347 4847,1147 J6.2 ; J11.6 4850,750 5050,750 5250,550 C1.2@5566.3,550
  other v2: 1500,150 1510,2990 6090,2990
Net5_1: 5.1 IC3.7 | length 2086.6
  Bottom Layer w25: IC3.7 4046.26,1550 4697,1550 4737.75,1509.25 5890.75,1509.25 5.1
Net5_2: 5.2 IC3.8 | length 2128
  Bottom Layer w25: IC3.8 4033.26,1463 5737,1463 5.2
NetBR1_1: BR1.1 C5.1 IC1.1 | length 1121.7
  Top Layer w25: BR1.1 2950,513 3337,900 IC1.1
  Bottom Layer w25: C5.1 2750,250 BR1.1
NetBR1_2: BR1.2 J1.2 K1.21 | length 6601.4
  Top Layer w25: K1.21 1540,2489.21 1540,990 2036.36,493.64 v1(2070.64,493.64)
  Bottom Layer w25: K1.21 1889.79,2839 4539,2839 J1.2 ; v1(2070.64,493.64) 2117,540 3060,540 BR1.2
NetBR1_3: BR1.3 BR2.2 J1.1 K1.11 | length 7870.6
  Top Layer w25: K1.11 1786.49,2958 1690,2958 1490,2758 1490,864 v1(2270,84) ; BR2.2 3350,350 BR1.3
  Bottom Layer w25: K1.11 2223,2699.21 2223.21,2699 4599,2699 J1.1 ; v1(2270,84) 3084,84 BR2.2
NetBR2_3: BR2.3 J2.1 K1.22 | length 7367.6
  Bottom Layer w25: BR2.3 3240,40 2233,40 1430,843 1430,2500.79 K1.22 1697,2553.79 1697,2952 1750,3005 4145,3005 J2.1
NetC6_1: C6.1 IC3.9 R5.1 | length 3124
  Top Layer w25: C6.1 2625.2,1099.2 ; R5.1 2654.86,2074.86 2654.86,2034.86 2600,1980 2600,1622 2625.2,1596.8 2625.2,1099.2 ; IC3.9 3712,1400 3636,1476 3636,1564 3460.8,1739.2 3213.2,1739.2 3200,1726 3200,1674 2625.2,1099.2
NetC7_1: C7.1 IC2.6 R4.1 | length 3554.6
  Top Layer w25: R4.1 2362.6,2000 2400,1962.6 2400,1384 2360,1344 2360,910.47 2407.38,863.09 2407.38,855.22 C7.1 ; C7.1@2412.6,853.17 2412.6,923.6 2450,961 2450,1103 2544,1197 v1(2544,1578) ; IC2.6 3762,1541.74 v1(3762,1504)
  Bottom Layer w25: v1(2544,1578) 2705,1578 2903,1380 3638,1380 v1(3762,1504)
NetC11_1: C11.1 IC3.17 L1.1 | length 3501.1
  Top Layer w25: IC3.17 4337.26,259 4670,259 4728,317 4817,317 5137.73,637.73 L1.1 5137.73,1166 5050,1253.73 5050,1735.36 5064.64,1750 5132.36,1750 5147,1735.36 5147,1664.64 5161.64,1650 5235.36,1650 5250,1664.64 5250,1770 5060,1960 5060,2107.28 5104.72,2152 C11.1
NetC12_1: C12.1 IC3.10 R14.1 | length 4769.7
  Top Layer w25: R14.1 2362.6,2665.6 1640,1943 1640,1072 1957,755 2350,755 2400,705 ; C12.1 2400,705 ; 2400,770 2400,705
  Bottom Layer w25: v1(2400,783) 2917,1300 IC3.10
NetC13_1: C13.1 IC2.2 R13.1 | length 7992.8
  Top Layer w25: C13.1 2612.6,346.4 2804.5,154.5 2875,84 3564.26,84 3606.75,126.49 3606.75,993.25 3560,1040 3560,1520 3400.2,1679.8 3400.2,1696.06 IC2.2 ; R13.1 2662.6,2639 2600,2576.4 2600,2390 2460,2250 2314.64,2250 2300,2264.64 2300,2556 2400,2656 2400,2727.88 2386.88,2741 2285,2741 2144,2600 2144,2521 1590,1967 1590,1020 2460,150 2791,150 2800,159
NetC14_1: C14.1 J11.3 | length 2072.8
  Top Layer w25: J11.3 4947,647 4947,2127 5080,2260 5135.36,2260 5150,2245.36 5150,2093.55 5109.45,2053 C14.1
NetC14_2: C14.2 D3.2 | length 742
  Top Layer w25: C14.2 5200,1971 5250,1921 5350,1921 5401,1972 5401,2025 5426,2050 5630,2050 5697.24,2117.24 D3.2
NetC33_2: C33.2 J31.7 R31.2 U1.1 | length 4012.9
  Top Layer w25: U1.1 450,2306.3 J31.7 404,304 404,200 431,173 862,173 1000,311 C33.2 ; v1(844,2193.4) R31.2
  Bottom Layer w25: U1.1 310.35,2463.5 310.35,2491.62 328.73,2510 527.4,2510 v1(844,2193.4)
NetC34_2: C34.2 J31.5 R32.2 U1.2 | length 4682.4
  Top Layer w25: C34.2 812.6,503.83 704.76,396 704.76,325 679.76,300 600,300 J31.5 550,2403.15 U1.2 410,2543.15 410,3085.36 424.64,3100 650,3100 1118,2632 1118,2305.4 1012.6,2200 R32.2
NetC35_2: C35.2 J31.3 R33.2 U1.5 | length 3212.1
  Top Layer w25: U1.5 498.43,2664.17 R33.2 ; J31.3 650,2166 834,2350 R33.2 ; C35.2 1046.4,2391 853.6,2391 R33.2
NetD1_2: D1.2 K1.A2 Q1.1 | length 5187.2
  Bottom Layer w25: Q1.1 1946.85,2096.85 K1.A2 1833,1817 2088,1817 2286,1619 2401.97,1619 2548.97,1472 2741,1472 2875,1338 4050,1338 4430,958 4695,958 4803,850 5150,850 D1.2
NetIC2_1: IC2.1 R11.1 R14.2 | length 2724.6
  Top Layer w25: R11.1 2362.6,2562.6 2437.4,2637.4 2437.4,2750 2374.4,2813 2314.64,2813 2300,2827.64 2300,2920 2430,3050 2950,3050 3130.16,2869.84 3130.16,2867.16 3137.63,2859.69 3140.31,2859.69 3300,2700 3300,2400 3250,2350 3250,2100 3300,2050 3300,1896.26 IC2.1
NetIC2_3: IC2.3 R12.2 R15.1 | length 3829.1
  Top Layer w25: R12.2 2437.4,2369.91 2500,2432.51 2500,2650 2550,2700 ; v1(2521,2374) 2550,2403 2550,2700 ; R15.1 2650,2800 2550,2700
  Bottom Layer w25: v1(2521,2374) 3936,2374 4059,2251 4059,1770.06 4025,1736.06 3971.06,1736.06 3899,1664 3460.26,1664 IC2.3
NetIC2_5: IC2.5 R1.2 R8.1 | length 2098.6
  Top Layer w25: v1(2437.4,1741) R1.2 2443.84,1906.44 2443.84,1943.84 2550,2050 2550,2130 2678.01,2258.01 2678.01,2304.64 R8.1@2680,2306.63
  Bottom Layer w25: v1(2437.4,1741) 2606,1741 2927,1420 3623.74,1420 IC2.5
NetIC2_7: IC2.7 R1.1 R5.2 | length 3408.9
  Top Layer w25: v1(2362.6,1849) R1.1 2314.64,1900 2300,1914.64 2300,2135.36 2314.64,2150 2385.36,2150 2400,2135.36 2400,2049 2463,2049 2489,2075 2489,2189 2649,2349 2705.36,2349 2720,2334.36 2720,2172.03 2734.8,2157.22 R5.2
  Bottom Layer w25: v1(2362.6,1849) 4021,1849 4033,1837 4033,1784 4010.32,1761.32 3765.06,1761.32 IC2.7
NetIC3_1: IC3.1 R19.1 | length 1991.1
  Top Layer w25: v1(2323,1861) 2323,1801.6 2362.6,1762 R19.1
  Bottom Layer w25: v1(2323,1861) 2500,2038 3834.26,2038 IC3.1
NetIC3_2: IC3.2 J7.2 R16.2 | length 2030.2
  Top Layer w25: IC3.2 4550,1546.26 4550,1364.64 4564.64,1350 4645.8,1350 4753,1457.2 4753,1653 J7.2 ; v1(4997,1700) 4997,1747 5050,1800 5174.73,1800 5189.37,1785.36 R16.2
  Bottom Layer w25: J7.2 v1(4997,1700)
NetIC3_11: IC3.11 R3.2 R6.1 Z1.1 | length 3053.4
  Top Layer w25: Z1.1 R6.1 v1(2900,2763) ; R3.2 3237.4,2898 3341,2794.4 v1(3341,2766) 3350,2757 3350,2321.07 3299.75,2270.82 3299.75,2129.18 3350,2078.93 3350,1988 3470,1868 3724,1868 3892,1700 3892,1634 3989,1537 4025,1537 4057.58,1504.42 4057.58,1331.84 4033,1307.27 4033,1200 IC3.11
  Bottom Layer w25: v1(2900,2763) 2903,2766 v1(3341,2766)
NetIC3_12: IC3.12 J9.1 | length 196.3
  Bottom Layer w25: J9.1 IC3.12
NetIC3_13: IC3.13 J9.2 | length 196.3
  Bottom Layer w25: J9.2 IC3.13
NetIC3_14: IC3.14 J9.3 | length 196.3
  Bottom Layer w25: J9.3 IC3.14
NetIC3_15: IC3.15 J9.4 | length 196.3
  Bottom Layer w25: J9.4 IC3.15
NetIC3_16: IC3.16 J9.5 | length 196.3
  Bottom Layer w25: J9.5 IC3.16
NetIC3_19: IC3.19 R7.2 | length 2913
  Top Layer w25: R7.2 3224.8,2692.13 3217.62,2684.94 3214.64,2684.94 3200,2670.3 3200,1924.45 3360,1764.45 3522.55,1764.45 3633,1654 3739,1654 3929,1464 3987,1464 4032.32,1418.68 4032.32,1374.32 3994,1336 3960,1336 3960,436.26 IC3.19
NetIC3_20: IC3.20 J4.1 | length 1055.1
  Bottom Layer w25: IC3.20 4033.26,337 4913,337 J4.1
NetIC3_21: IC3.21 J4.2 | length 317
  Bottom Layer w25: IC3.21 4850,300 J4.2
NetIC3_22: IC3.22 J4.3 | length 1045.3
  Bottom Layer w25: IC3.22 4957,400 5100,257 5100,164.64 5085.36,150 4814.64,150 4800,164.64 J4.3
NetIC3_23: IC3.23 J6.4 | length 881.3
  Top Layer w25: IC3.23 4700,596.26 4700,1200 J6.4
NetIC3_24: IC3.24 J6.3 | length 1058.5
  Top Layer w25: IC3.24 4665.06,661.32 4665.06,1242.06 4769.71,1346.71 4846.71,1346.71 4846.71,1246.71 J6.3
NetIC3_27: IC3.27 J11.1 | length 1355.2
  Top Layer w25: IC3.27 4639.8,936.06 4639.8,1035.36 4625.16,1050 4588,1050 4500,962 4500,438 4588,350 4750,350 J11.1
NetIC3_28: IC3.28 J11.4 | length 859.8
  Top Layer w25: IC3.28 4550,946.26 4550,492 4592,450 4650,450 J11.4
NetIC3_30: IC3.30 J11.5 | length 1804.6
  Bottom Layer w25: IC3.30 4653.29,1200 4753.29,1100 4753.29,1073.71 4777,1050 5184,1050 5300,934 5300,800 5250,750 5147.69,750 5097.69,800 4826,800 4753,727 4753,675 4778,650 4850,650 J11.5
NetIC3_33: IC3.33 J10.1 | length 631.3
  Top Layer w25: IC3.33 4650,1546.26 4650,1900 J10.1
NetIC3_34: IC3.34 J10.2 | length 767.2
  Top Layer w25: IC3.34 4500,1703.74 4500,1900 4550,1950 4635.36,1950 4650,1964.64 4650,2000 J10.2
NetIC3_35: IC3.35 J12.4 R22.1 | length 2511.7
  Top Layer w25: v1(4553,1863) 4553,1750.74 IC3.35 ; R22.1 5110.63,1330.63 5150,1370 5150,1534 v1(5144,1540)
  Bottom Layer w25: v1(4553,1863) 4631,1863 4668,1900 J12.4 ; IC3.35 4763.74,1540 v1(5144,1540)
NetIC3_36: IC3.36 J12.2 R21.1 | length 2537
  Top Layer w25: R21.1 v1(5110.63,1565.51)
  Bottom Layer w25: IC3.36 4650.74,1847 5953,1847 J12.2 5600,1800 5500,1700 5500,1615 5450.51,1565.51 v1(5110.63,1565.51)
NetIC3_37: IC3.37 J12.3 | length 1534.4
  Bottom Layer w25: IC3.37 4649.74,1946 6054,1946 J12.3
NetIC3_38: IC3.38 J12.5 | length 1534.4
  Bottom Layer w25: IC3.38 5278,2000 5324,2046 6054,2046 J12.5
NetIC3_39: IC3.39 J12.7 | length 1534.4
  Bottom Layer w25: IC3.39 5278,2100 5324,2146 6054,2146 J12.7
NetIC3_40: IC3.40 J12.9 | length 1534.4
  Bottom Layer w25: IC3.40 5278,2200 5324,2246 6054,2246 J12.9
NetIC4_2: IC4.2 LD1.14 | length 1278.1
  Bottom Layer w25: LD1.14 549,1650 408,1791 159,1791 159,1891 674,1891 765,1800 IC4.2
NetIC4_3: IC4.3 LD1.16 | length 262.1
  Bottom Layer w25: LD1.16 650,1850 IC4.3
NetIC4_4: IC4.4 LD1.13 | length 220.7
  Bottom Layer w25: LD1.13 750,1550 IC4.4
NetIC4_5: IC4.5 LD1.3 | length 662.1
  Bottom Layer w25: LD1.3 350,1500 IC4.5
NetIC4_6: IC4.6 LD1.5 | length 620.7
  Bottom Layer w25: LD1.5 250,1400 IC4.6
NetIC4_7: IC4.7 LD1.11 | length 220.7
  Bottom Layer w25: LD1.11 750,1350 IC4.7
NetIC4_8: IC4.8 LD1.15 | length 697.9
  Top Layer w25: v1(765,1696) 765,1235 IC4.8
  Bottom Layer w25: LD1.15 711,1750 v1(765,1696)
NetIC4_9: IC4.9 LD1.7 | length 994.8
  Bottom Layer w25: LD1.7 159,1209 159,1006 224,941 641,941 IC4.9
NetIC4_12: IC4.12 LD1.8 | length 1059.7
  Bottom Layer w25: LD1.8 375,975 555,975 715,1135 1071.46,1135 IC4.12
NetIC4_13: IC4.13 LD1.6 | length 968.6
  Bottom Layer w25: LD1.6 247,1303 669,1303 707,1265 1041.46,1265 IC4.13
NetIC4_14: IC4.14 LD1.2 | length 1152.5
  Bottom Layer w25: LD1.2 393.13,1750 533.94,1609.19 666.06,1609.19 696.61,1639.75 825.25,1639.75 954,1511 954,1452.46 IC4.14
NetIC4_15: IC4.15 LD1.1 | length 1124.3
  Bottom Layer w25: LD1.1 418.19,1850 559,1709.19 641,1709.19 685.19,1665 841.46,1665 990.14,1516.31 990.14,1462.61 1052.76,1400 IC4.15
NetIC4_17: IC4.17 J31.4 | length 1636.8
  Bottom Layer w25: J31.4 704,304 704,504 1142,942 1142,1425 1102,1465 1071,1465 1071,1600 IC4.17
NetIC4_18: IC4.18 J31.2 | length 1683.5
  Top Layer w25: J31.2 850,350 850,613 917,680 1035.36,680 1050,694.64 1050,920 1030,940 1030,1408.75 1050,1428.75 1050,1643.54 IC4.18
NetJ2_2: J2.2 K1.12 K1.24 | length 2874.8
  Top Layer w25: K1.24 1750,2796.06 K1.12
  Bottom Layer w25: K1.24 1818.36,2966 3984,2966 J2.2
NetJ3_2: J3.2 R2.1 R4.2 R9.1 R13.2 | length 3910.2
  Top Layer w25: R9.1 2362.6,2850 2500,2850 2590.31,2940.31 2683,2940.31 2683,2762.4 2737.4,2708 R13.2 2737.4,2668 ; R4.2 2437.4,2187.4 2650,2400 R2.1 2650,2562.6 2737.4,2650 2737.4,2668 ; v1(2819,2668) 2737.4,2668
  Bottom Layer w25: v1(2819,2668) 2827,2660 4910,2660 J3.2
NetJ8_1: J8.1 L2.2 | length 670.7
  Top Layer w25: L2.2 3650,2850 J8.1
NetJ8_2: J8.2 L2.3 | length 712.1
  Top Layer w25: L2.3 3400,2300 3400,2800 J8.2
NetL2_1: L2.1 Q3.2 | length 2543.1
  Top Layer w25: Q3.2 1993,1743 1993,2047 v1(2247,2301)
  Bottom Layer w25: v1(2247,2301) 3499,2301 L2.1
NetQ1_2: Q1.2 R7.1 R10.1 | length 1458.6
  Top Layer w25: R10.1 2900,2800 2944.41,2755.59 2944.41,2734.88 2942.36,2732.84 2942.36,2509.72 2950,2502.08 2950,2200 Q1.2 ; v1(3150,2209) R7.1
  Bottom Layer w25: Q1.2 3059,2209 v1(3150,2209)
NetQ2_2: Q2.2 Q4.1 Q5.2 R17.2 | length 1362.7
  Top Layer w25: Q4.1 2050,1303.15 Q5.2 2014.64,1253.15 2000,1238.51 2000,1000 Q2.2 ; R17.2 2437.4,1292.6 v1(2438,1292)
  Bottom Layer w25: Q5.2 2399.15,1253.15 v1(2438,1292)
NetQ2_3: Q2.3 Q5.1 R18.1 | length 1495.8
  Top Layer w25: Q5.1 2050,1096 2150,996 Q2.3 ; R18.1 2662.6,1595.12 2675.25,1582.46 v1(2675.25,1318)
  Bottom Layer w25: Q5.1 2050,1268 2100,1318 v1(2675.25,1318)
NetQ3_1: Q3.1 R18.2 | length 1421.8
  Top Layer w25: v1(2700.51,1369) 2737.4,1405.89 R18.2
  Bottom Layer w25: Q3.1 1881,1369 v1(2700.51,1369)
NetQ4_2: Q4.2 R19.2 R20.1 | length 1673
  Top Layer w25: v1(2425.25,1560) 2437.4,1572.15 R19.2 2437.4,1707.87 2444.59,1715.06 2465.06,1715.06 2507,1757 2507,1929 2592,2014 2592,2126 2622.64,2156.64 2671.23,2156.64 2700,2127.88 2700,1932.68 2717.62,1915.06 2717.62,1907.19 R20.1
  Bottom Layer w25: Q4.2 2013,1600 1988,1575 1988,1503 2365,1503 2379.43,1517.43 2382.69,1517.43 v1(2425.25,1560)
NetR11_2: R11.2 R12.1 | length 231
  Top Layer w25: R12.1 2362.6,2362 2437.4,2436.8 R11.2
VIN: BR2.1 C1.1 Q2.1 Q3.3 R3.1 R17.1 | length 9854.5
  Top Layer w25: Q3.3 1700,1196.85 1960,936.85 ; Q2.1 1960,936.85 ; R17.1 2362.6,1576.4 2300,1639 2061,1639 1960,1538 1960,936.85 ; R3.1 3162.6,2957.6 3746.4,2957.6 3752,2952 3752,1895 3884,1763 4046,1763 4224,1585 v1(4224,672)
  Bottom Layer w25: Q2.1 2303.85,593 3157,593 3207,543 3207,407 ; BR2.1 3207,407 ; v1(4224,672) 4348,548 ; C1.1@5962.02,560 5942.33,540.3 5942.33,532.33 5888,478 5200,478 5130,548 4348,548 ; 3207,407 3348,548 4348,548
pads on no net: IC3.3 IC3.4 IC3.25 IC3.26 IC3.29 IC4.10 IC4.11 IC4.19 IC4.20 J12.6 J12.8 J31.6 J31.8 J31.9 K1.14 LD1.4 LD1.9 LD1.10 LD1.12 U1.6 U1.7
copper on no net: | length 888.6
  Top Layer w10: 141.42,0 ccw(c0,0) 141.42,0
  other v2: 1190,160 1190,2990

## Polygon pours and split planes (outlines as drawn)
GND on Top Layer "GND_L01_P003" (solid, pour order 3): 1410,3060 1400,3050 1400,80 6170,80 6170,3060
GND on Bottom Layer "GND_L02_P002" (solid, pour order 2): 1400,3070 1400,80 1410,70 1420,80 6170,80 6170,3090 6150,3070

## Text inside footprints (layer, text, board x,y; h text height)
C1: Top Overlay "+" at 6217.87,530.47 h59.06
C2: Top Overlay "+" at 3070.08,1680.32 h39.37
C4: Top Overlay "+" at 3320.08,1680.32 h39.37
C5: Top Overlay "+" at 2710.24,220.47 h59.06
C10: Top Overlay "+" at 5620.08,1630.32 h39.37